# KiCad board atreyu-pcb2.kicad_pcb
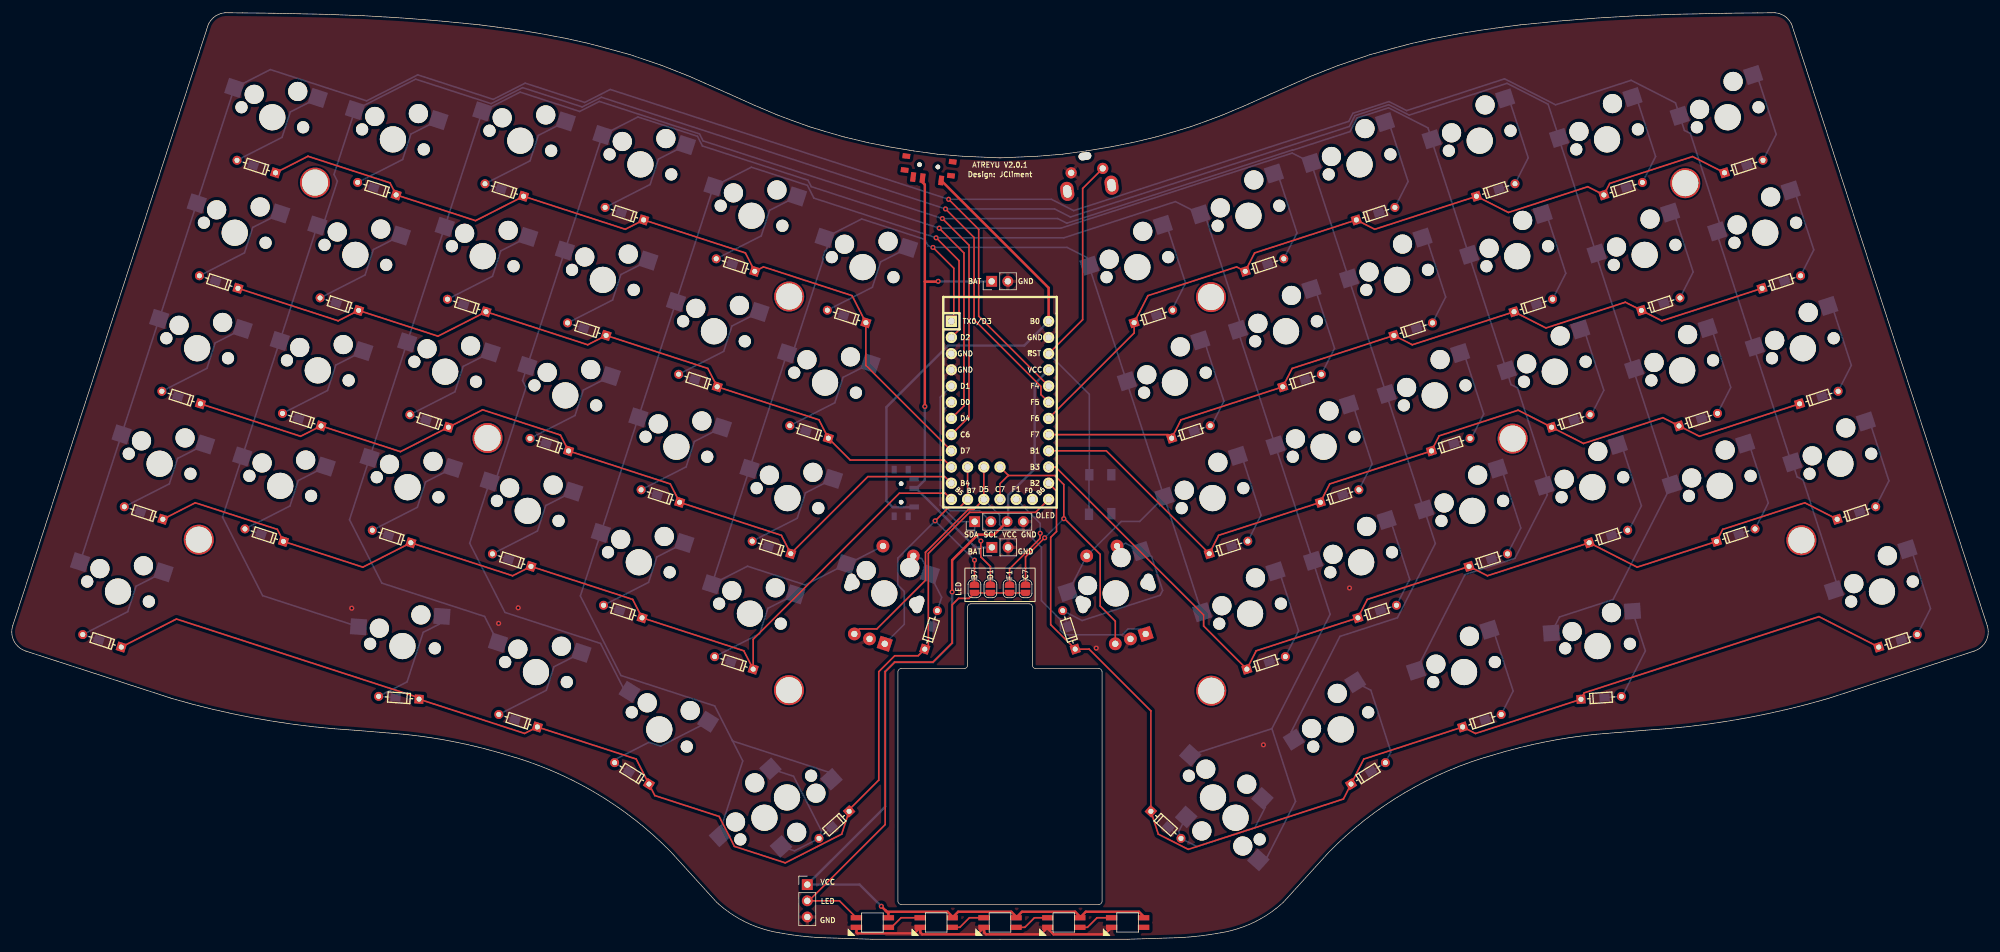
[diagram p0: board, top side]
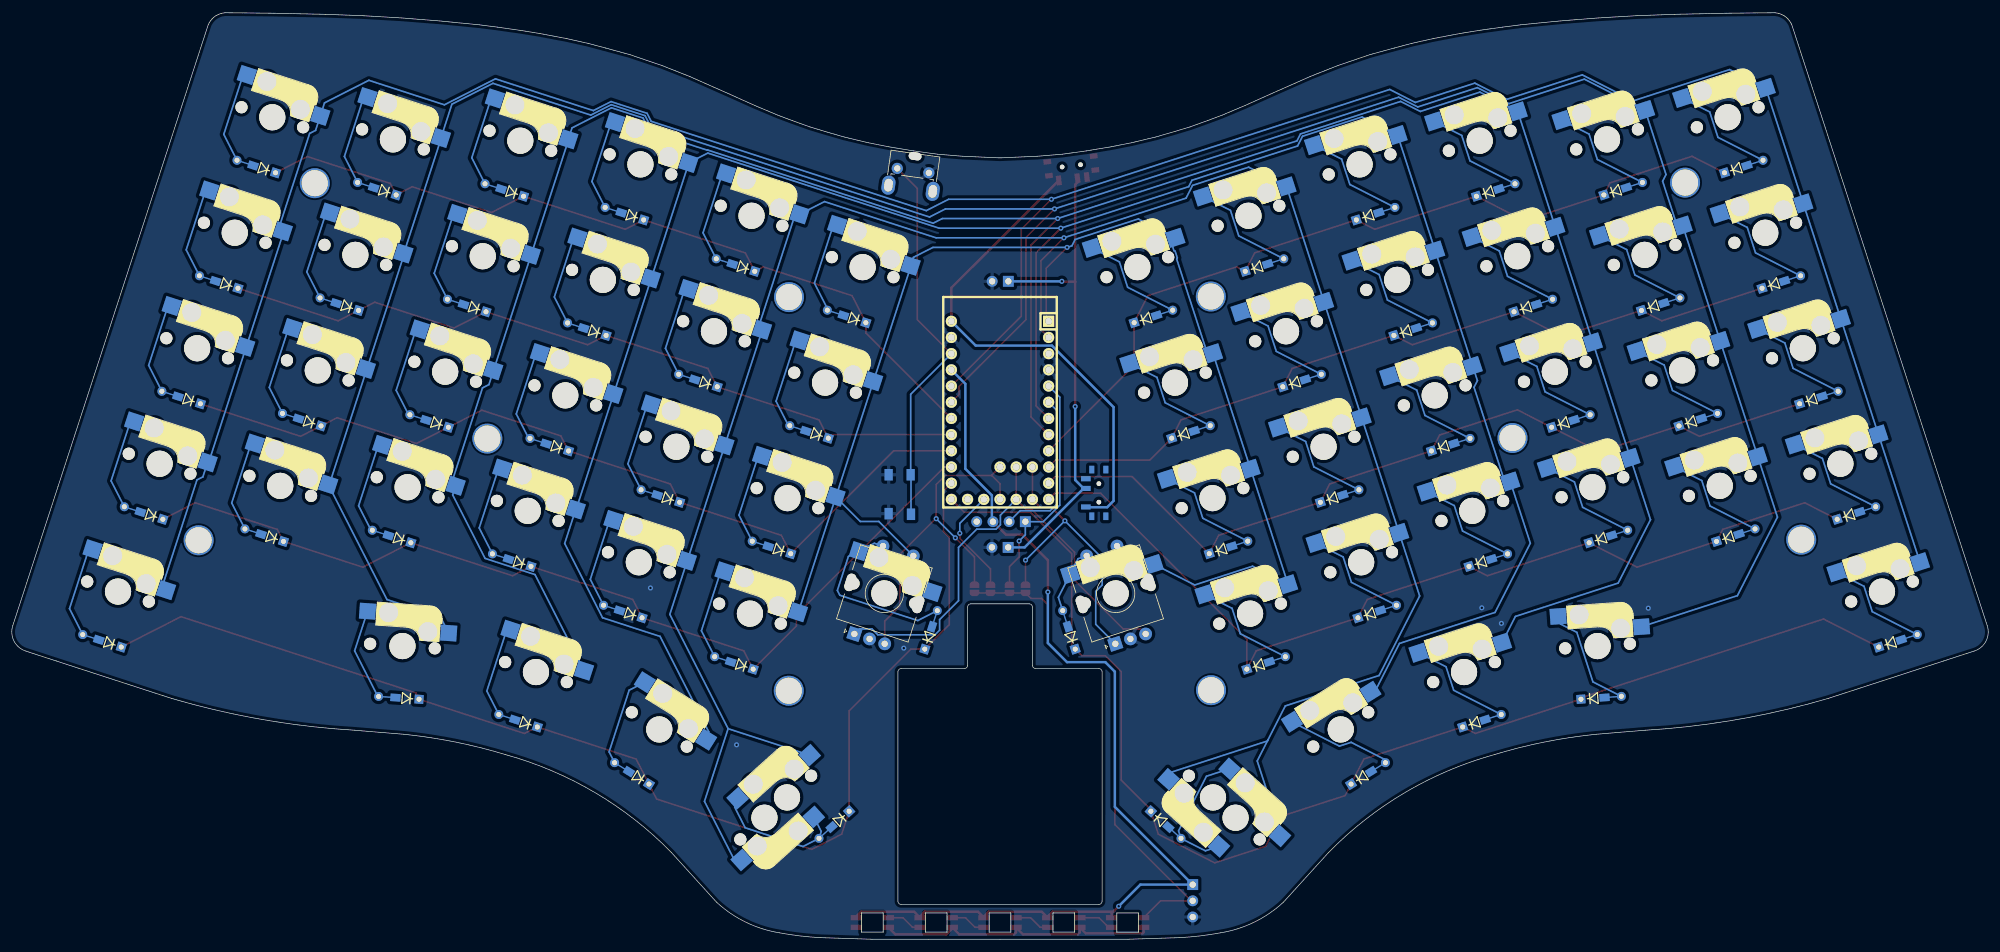
[diagram p1: board, bottom side, seen from below]

Outline 309.73 x 145.34 mm; copper layers: Top, Bottom. Coordinates in mm from the lower left corner of the outline.
Outline path: 0.16,49.19 7.24,70.99 30.79,143.46 30.94,143.76 31.14,144.07 31.4,144.37 31.65,144.63 32.01,144.88 32.41,145.08 32.82,145.24 33.43,145.34 36.12,145.32 41.08,145.26 49.2,145.09 55.04,144.88 61,144.53 67.08,144.05 73.29,143.45 76.07,143.09 79.74,142.57 82.77,142.08 86.93,141.29 90.34,140.53 93.11,139.8 96.88,138.77 101.9,137.06 104.03,136.22 106.16,135.38 108.66,134.27 112.41,132.61 116.42,130.81 120.04,129.28 122.3,128.43 125.06,127.44 127.45,126.72 130.47,125.84 134.25,124.94 137.4,124.32 141.32,123.67 145.11,123.15 149.03,122.83 154.87,122.57 160.71,122.83 164.62,123.15 168.41,123.67 172.33,124.32 175.48,124.94 179.26,125.84 182.28,126.72 184.67,127.44 187.43,128.43 189.69,129.28 193.32,130.81 197.32,132.61 201.07,134.27 203.57,135.38 207.83,137.06 212.85,138.77 216.62,139.8 219.39,140.53 222.8,141.29 226.96,142.08 229.99,142.57 233.66,143.09 236.44,143.45 242.65,144.05 248.73,144.53 254.69,144.88 260.53,145.09 268.65,145.26 273.61,145.32 276.3,145.34 276.91,145.24 277.32,145.08 277.73,144.88 278.08,144.63 278.33,144.37 278.59,144.07 278.79,143.76 278.94,143.46 302.49,70.99 309.57,49.19 arc(309.38,46.76) 307.5,45.2 302.78,43.66 284.66,37.78 arc(272.05,34.76) 259.19,33.02 256.02,32.79 248.27,32.15 arc(240.26,30.95) 232.4,28.98 arc(218.36,23.03) 206.36,13.61 199.3,5.83 arc(194.7,2.68) 189.39,1 arc(186.24,0.53) 183.06,0.25 174.93,0 166.04,0 154.87,0 134.8,0 126.67,0.25 arc(123.49,0.53) 120.34,1 arc(115.03,2.68) 110.43,5.83 103.37,13.61 arc(91.37,23.03) 77.33,28.98 arc(69.47,30.95) 61.46,32.15 53.71,32.79 50.54,33.02 arc(37.68,34.76) 25.07,37.78 6.95,43.66 2.23,45.2 arc(0.35,46.76) 0.16,49.19 ; 138.86,41.95 arc(139.01,42.31) 139.37,42.46 149.28,42.46 arc(149.64,42.61) 149.79,42.97 149.79,52.11 arc(149.93,52.47) 150.29,52.62 159.44,52.62 arc(159.8,52.47) 159.95,52.11 159.95,42.97 arc(160.09,42.61) 160.45,42.46 170.36,42.46 arc(170.72,42.31) 170.87,41.95 170.87,5.97 arc(170.72,5.61) 170.36,5.46 139.37,5.46 arc(139.01,5.61) 138.87,5.97 138.86,41.95
Stack: Top 0.035mm / dielectric 1.51mm FR4 er 4.5 / Bottom 0.035mm

## Placement (name value [footprint] x y rotation side)
D1  D_Small  [D3_hybrid_common_hole_connected_fix]  41.33 120.23 162 top
D2  D_Small  [D3_hybrid_common_hole_connected_fix]  60.24 116.76 162 top
D3  D_Small  [D3_hybrid_common_hole_connected_fix]  80.2 116.55 162 top
D4  D_Small  [D3_hybrid_common_hole_connected_fix]  99.02 112.84 162 top
D5  D_Small  [D3_hybrid_common_hole_connected_fix]  116.43 104.78 162 top
D6  D_Small  [D3_hybrid_common_hole_connected_fix]  133.85 96.72 162 top
D7  D_Small  [D3_hybrid_common_hole_connected_fix]  175.88 96.72 18 top
D8  D_Small  [D3_hybrid_common_hole_connected_fix]  193.3 104.78 18 top
D9  D_Small  [D3_hybrid_common_hole_connected_fix]  210.71 112.84 18 top
D10  D_Small  [D3_hybrid_common_hole_connected_fix]  229.53 116.55 18 top
D11  D_Small  [D3_hybrid_common_hole_connected_fix]  249.49 116.76 18 top
D12  D_Small  [D3_hybrid_common_hole_connected_fix]  268.4 120.23 18 top
D13  D_Small  [D3_hybrid_common_hole_connected_fix]  35.45 102.12 162 top
D14  D_Small  [D3_hybrid_common_hole_connected_fix]  54.35 98.65 162 top
D15  D_Small  [D3_hybrid_common_hole_connected_fix]  74.31 98.44 162 top
D16  D_Small  [D3_hybrid_common_hole_connected_fix]  93.14 94.72 162 top
D17  D_Small  [D3_hybrid_common_hole_connected_fix]  110.55 86.66 162 top
D18  D_Small  [D3_hybrid_common_hole_connected_fix]  127.96 78.6 162 top
D19  D_Small  [D3_hybrid_common_hole_connected_fix]  181.77 78.6 18 top
D20  D_Small  [D3_hybrid_common_hole_connected_fix]  199.18 86.66 18 top
D21  D_Small  [D3_hybrid_common_hole_connected_fix]  216.59 94.72 18 top
D22  D_Small  [D3_hybrid_common_hole_connected_fix]  235.42 98.44 18 top
D23  D_Small  [D3_hybrid_common_hole_connected_fix]  255.38 98.65 18 top
D24  D_Small  [D3_hybrid_common_hole_connected_fix]  274.28 102.12 18 top
D25  D_Small  [D3_hybrid_common_hole_connected_fix]  29.56 84 162 top
D26  D_Small  [D3_hybrid_common_hole_connected_fix]  48.46 80.53 162 top
D27  D_Small  [D3_hybrid_common_hole_connected_fix]  68.43 80.32 162 top
D28  D_Small  [D3_hybrid_common_hole_connected_fix]  87.25 76.61 162 top
D29  D_Small  [D3_hybrid_common_hole_connected_fix]  104.66 68.54 162 top
D30  D_Small  [D3_hybrid_common_hole_connected_fix]  122.07 60.48 162 top
D31  D_Small  [D3_hybrid_common_hole_connected_fix]  187.66 60.48 18 top
D32  D_Small  [D3_hybrid_common_hole_connected_fix]  205.07 68.54 18 top
D33  D_Small  [D3_hybrid_common_hole_connected_fix]  222.48 76.61 18 top
D34  D_Small  [D3_hybrid_common_hole_connected_fix]  241.3 80.32 18 top
D35  D_Small  [D3_hybrid_common_hole_connected_fix]  261.27 80.53 18 top
D36  D_Small  [D3_hybrid_common_hole_connected_fix]  280.17 84 18 top
D37  D_Small  [D3_hybrid_common_hole_connected_fix]  23.67 65.88 162 top
D38  D_Small  [D3_hybrid_common_hole_connected_fix]  42.58 62.41 162 top
D39  D_Small  [D3_hybrid_common_hole_connected_fix]  62.54 62.2 162 top
D40  D_Small  [D3_hybrid_common_hole_connected_fix]  81.36 58.49 162 top
D41  D_Small  [D3_hybrid_common_hole_connected_fix]  98.77 50.43 162 top
D42  D_Small  [D3_hybrid_common_hole_connected_fix]  116.19 42.37 162 top
D43  D_Small  [D3_hybrid_common_hole_connected_fix]  193.54 42.37 18 top
D44  D_Small  [D3_hybrid_common_hole_connected_fix]  210.96 50.43 18 top
D45  D_Small  [D3_hybrid_common_hole_connected_fix]  228.37 58.49 18 top
D46  D_Small  [D3_hybrid_common_hole_connected_fix]  247.19 62.2 18 top
D47  D_Small  [D3_hybrid_common_hole_connected_fix]  267.15 62.41 18 top
D48  D_Small  [D3_hybrid_common_hole_connected_fix]  286.06 65.88 18 top
D49  D_Small  [D3_hybrid_common_hole_connected_fix]  17.16 45.83 162 top
D50  D_Small  [D3_hybrid_common_hole_connected_fix]  63.82 37.66 176 top
D51  D_Small  [D3_hybrid_common_hole_connected_fix]  82.36 33.3 162 top
D52  D_Small  [D3_hybrid_common_hole_connected_fix]  99.86 24.34 148 top
D53  D_Small  [D3_hybrid_common_hole_connected_fix]  131.22 20.07 222 top
D54  D_Small  [D3_hybrid_common_hole_connected_fix]  143.08 45.51 72 top
D55  D_Small  [D3_hybrid_common_hole_connected_fix]  166.65 45.51 108 top
D56  D_Small  [D3_hybrid_common_hole_connected_fix]  178.51 20.07 318 top
D57  D_Small  [D3_hybrid_common_hole_connected_fix]  209.88 24.34 32 top
D58  D_Small  [D3_hybrid_common_hole_connected_fix]  227.37 33.3 18 top
D59  D_Small  [D3_hybrid_common_hole_connected_fix]  245.91 37.65 4 top
D60  D_Small  [D3_hybrid_common_hole_connected_fix]  292.57 45.83 18 top
D61  SK6812MINI  [YS-SK6812MINI-E]  134.87 2.62 0 top
D62  SK6812MINI  [YS-SK6812MINI-E]  144.87 2.62 0 top
D63  SK6812MINI  [YS-SK6812MINI-E]  154.87 2.62 0 top
D64  SK6812MINI  [YS-SK6812MINI-E]  164.87 2.62 0 top
D65  SK6812MINI  [YS-SK6812MINI-E]  174.87 2.62 0 top
J1  OLED  [PinHeader_1x04_P2.54mm_Vertical]  150.9 65.51 90 top
J2  Conn_01x02_Female  [PinHeader_1x02_P2.54mm_Vertical]  153.59 61.47 90 top
J2#2  Conn_01x02_Female  [PinHeader_1x02_P2.54mm_Vertical]  153.56 103.21 90 top
J3  Conn_01x03_Female  [PinHeader_1x03_P2.54mm_Vertical]  124.67 8.57 0 top
JP1  Jumper-Device  [SolderJumper-2_P1.3mm_Open_RoundedPad1.0x1.5mm]  150.87 54.97 270 top
JP2  Jumper-Device  [SolderJumper-2_P1.3mm_Open_RoundedPad1.0x1.5mm]  158.87 54.97 270 top
JP3  Jumper-Device  [SolderJumper-2_P1.3mm_Open_RoundedPad1.0x1.5mm]  153.37 54.97 270 top
JP4  Jumper-Device  [SolderJumper-2_P1.3mm_Open_RoundedPad1.0x1.5mm]  156.37 54.97 270 top
MX1  MX-NoLED  [CherryMX_Hotswap]  40.83 128.95 342 top
MX2  MX-NoLED  [CherryMX_Hotswap]  59.73 125.47 342 top
MX3  MX-NoLED  [CherryMX_Hotswap]  79.69 125.26 342 top
MX4  MX-NoLED  [CherryMX_Hotswap]  98.52 121.55 342 top
MX5  MX-NoLED  [CherryMX_Hotswap]  115.93 113.49 342 top
MX6  MX-NoLED  [CherryMX_Hotswap]  133.34 105.43 342 top
MX7  MX-NoLED  [CherryMX_Hotswap]  176.39 105.43 18 top
MX8  MX-NoLED  [CherryMX_Hotswap]  193.8 113.49 18 top
MX9  MX-NoLED  [CherryMX_Hotswap]  211.21 121.55 18 top
MX10  MX-NoLED  [CherryMX_Hotswap]  230.04 125.26 18 top
MX11  MX-NoLED  [CherryMX_Hotswap]  250 125.47 18 top
MX12  MX-NoLED  [CherryMX_Hotswap]  268.9 128.94 18 top
MX13  MX-NoLED  [CherryMX_Hotswap]  34.94 110.83 342 top
MX14  MX-NoLED  [CherryMX_Hotswap]  53.84 107.36 342 top
MX15  MX-NoLED  [CherryMX_Hotswap]  73.81 107.15 342 top
MX16  MX-NoLED  [CherryMX_Hotswap]  92.63 103.43 342 top
MX17  MX-NoLED  [CherryMX_Hotswap]  110.04 95.37 342 top
MX18  MX-NoLED  [CherryMX_Hotswap]  127.45 87.31 342 top
MX19  MX-NoLED  [CherryMX_Hotswap]  182.28 87.31 18 top
MX20  MX-NoLED  [CherryMX_Hotswap]  199.69 95.37 18 top
MX21  MX-NoLED  [CherryMX_Hotswap]  217.1 103.43 18 top
MX22  MX-NoLED  [CherryMX_Hotswap]  235.92 107.15 18 top
MX23  MX-NoLED  [CherryMX_Hotswap]  255.89 107.36 18 top
MX24  MX-NoLED  [CherryMX_Hotswap]  274.79 110.83 18 top
MX25  MX-NoLED  [CherryMX_Hotswap]  29.06 92.71 342 top
MX26  MX-NoLED  [CherryMX_Hotswap]  47.96 89.24 342 top
MX27  MX-NoLED  [CherryMX_Hotswap]  67.92 89.03 342 top
MX28  MX-NoLED  [CherryMX_Hotswap]  86.74 85.32 342 top
MX29  MX-NoLED  [CherryMX_Hotswap]  104.15 77.26 342 top
MX30  MX-NoLED  [CherryMX_Hotswap]  121.56 69.2 342 top
MX31  MX-NoLED  [CherryMX_Hotswap]  188.17 69.2 18 top
MX32  MX-NoLED  [CherryMX_Hotswap]  205.58 77.26 18 top
MX33  MX-NoLED  [CherryMX_Hotswap]  222.99 85.32 18 top
MX34  MX-NoLED  [CherryMX_Hotswap]  241.81 89.03 18 top
MX35  MX-NoLED  [CherryMX_Hotswap]  261.77 89.24 18 top
MX36  MX-NoLED  [CherryMX_Hotswap]  280.68 92.71 18 top
MX37  MX-NoLED  [CherryMX_Hotswap]  23.17 74.59 342 top
MX38  MX-NoLED  [CherryMX_Hotswap]  42.07 71.12 342 top
MX39  MX-NoLED  [CherryMX_Hotswap]  62.03 70.91 342 top
MX40  MX-NoLED  [CherryMX_Hotswap]  80.86 67.2 342 top
MX41  MX-NoLED  [CherryMX_Hotswap]  98.27 59.14 342 top
MX42  MX-NoLED  [CherryMX_Hotswap]  115.68 51.08 342 top
MX43  MX-NoLED  [CherryMX_Hotswap]  194.05 51.08 18 top
MX44  MX-NoLED  [CherryMX_Hotswap]  211.46 59.14 18 top
MX45  MX-NoLED  [CherryMX_Hotswap]  228.87 67.2 18 top
MX46  MX-NoLED  [CherryMX_Hotswap]  247.7 70.91 18 top
MX47  MX-NoLED  [CherryMX_Hotswap]  267.66 71.12 18 top
MX48  MX-NoLED  [CherryMX_Hotswap]  286.56 74.59 18 top
MX49  MX-NoLED  [CherryMX_Hotswap]  16.65 54.54 342 top
MX50  MX-NoLED  [CherryMX_Hotswap]  61.22 45.99 356 top
MX51  MX-NoLED  [CherryMX_Hotswap]  82.15 41.92 342 top
MX52  MX-NoLED  [CherryMX_Hotswap]  101.47 32.91 328 top
MX53  MX-NoLED  [CherryMX_Hotswap]  117.95 19.06 42 top
MX54  MX-NoLED  [CherryMX_Hotswap]  136.74 54.25 342 top
MX55  MX-NoLED  [CherryMX_Hotswap]  172.99 54.25 18 top
MX56  MX-NoLED  [CherryMX_Hotswap]  188.24 22.25 318 top
MX57  MX-NoLED  [CherryMX_Hotswap]  208.26 32.91 32 top
MX58  MX-NoLED  [CherryMX_Hotswap]  227.58 41.92 18 top
MX59  MX-NoLED  [CherryMX_Hotswap]  248.51 45.99 4 top
MX60  MX-NoLED  [CherryMX_Hotswap]  293.08 54.54 18 top
MX61  MX-NoLED  [CherryMX_Hotswap]  121.49 22.25 222 top
MX62  MX-NoLED  [CherryMX_Hotswap]  191.78 19.06 138 top
NOREF  -  [unnamed]  262.25 118.6 18 top
NOREF#2  -  [unnamed]  280.45 62.59 18 top
NOREF#3  -  [unnamed]  187.93 100.73 18 top
NOREF#4  -  [unnamed]  235.2 78.54 18 top
NOREF#5  -  [unnamed]  187.97 38.98 18 top
NOREF#6  -  [unnamed]  121.83 100.82 162 bottom
NOREF#7  -  [unnamed]  121.79 39.08 162 bottom
NOREF#8  -  [unnamed]  47.51 118.69 162 bottom
NOREF#9  -  [unnamed]  74.55 78.63 162 bottom
NOREF#10  -  [unnamed]  29.31 62.68 162 bottom
SW1  SW_Push  [SW_Tactile_SPST_Angled_MJTP1117_fixed]  170.97 120.92 188 bottom
SW2  RotaryEncoder_Switch  [RotaryEncoder_EC11]  136.74 54.25 72 bottom
SW3  RotaryEncoder_Switch  [RotaryEncoder_EC11]  172.99 54.25 108 bottom
SW4  SW_SPDT  [Switch_MSK-12C01-07]  143.69 121.33 173 top
SW5  SW_SPDT  [Switch_MSK-12C01-07#2]  139.37 70.02 270 top
SW6  SW_Push  [PushSwitch]  170.61 69.76 270 bottom
U1  -  [Elite-C]  154.87 82.97 270 top

## Footprints (pads in the part's own frame, mm; a bottom-side part is the same pattern mirrored in y, then rotated)
CherryMX_Hotswap
  round 1.9 hole 1.9 unplated: (-5.08,0) (5.08,0)
  round 3 hole 3 unplated: (-3.81,2.54) (2.54,5.08)
  round 4.1 hole 4.1 unplated: (0,0)
  rect 2.55x2.5 smd far side: 1(-7.085,2.54) 2(5.842,5.08)
D3_hybrid_common_hole_connected_fix
  rect 1.4x1.4 hole 0.8: 1(0,0)
  rect 1.6x1.2 smd far side: 2(3.7,0)
  rect 1.6x0.2 smd far side: 2(5.15,0)
  round 1.4 hole 0.8: 2(6.35,0)
Elite-C
  rect 1.753x1.753 hole 1.092: 1(-13.97,-7.62)
  round 1.753 hole 1.092: 2(-11.43,-7.62) 3(-8.89,-7.62) 4(-6.35,-7.62) 5(-3.81,-7.62) 6(-1.27,-7.62) 7(1.27,-7.62) 8(3.81,-7.62) 9(6.35,-7.62) 10(8.89,-7.62) 11(11.43,-7.62) 12(13.97,-7.62) 13(13.97,7.62) 14(11.43,7.62) 15(8.89,7.62) 16(6.35,7.62) 17(3.81,7.62) 18(1.27,7.62) 19(-1.27,7.62) 20(-3.81,7.62) 21(-6.35,7.62) 22(-8.89,7.62) 23(-11.43,7.62) 24(-13.97,7.62) 25(13.97,-5.08) 26(13.97,-2.54) 27(13.97,0) 28(13.97,2.54) 29(13.97,5.08) 31(8.89,-5.08) 32(8.89,-2.54) 33(8.89,0)
PinHeader_1x02_P2.54mm_Vertical
  rect 1.7x1.7 hole 1: 1(0,0)
  oval 1.7x1.7 hole 1: 2(0,-2.54)
PinHeader_1x03_P2.54mm_Vertical
  rect 1.7x1.7 hole 1: 1(0,0)
  oval 1.7x1.7 hole 1: 2(0,-2.54) 3(0,-5.08)
PinHeader_1x04_P2.54mm_Vertical
  rect 1.7x1.7 hole 1: 1(0,0)
  oval 1.7x1.7 hole 1: 2(0,-2.54) 3(0,-5.08) 4(0,-7.62)
PushSwitch
  rect 1.8x1.3 smd: 1(-3.1,1.75) 1(3.1,1.8) 2(-3.1,-1.7) 2(3,-1.7)
RotaryEncoder_EC11
  oval 2.8x1.5 hole 2.8x1.5 unplated: (0,-5.6) (0,5.6)
  rect 2x2 hole 1: A(-7.5,2.5)
  round 2 hole 1: B(-7.5,-2.5) C(-7.5,0) S1(7,-2.5) S2(7,2.5)
SolderJumper-2_P1.3mm_Open_RoundedPad1.0x1.5mm
  custom 1x1.5 smd: 1(-0.65,0) 2(0.65,0)
SW_Tactile_SPST_Angled_MJTP1117_fixed
  oval 2.1x3 hole 1.3x2: (-1,-2.794) (6.01,-2.794)
  oval 2x1.2 hole 2x1.2 unplated: (2.5,2.286)
  round 1.75 hole 0.99: 1(0,0) 2(5,0)
Switch_MSK-12C01-07
  rect 1.2x0.8 smd: (-3.66,1.11) (-3.66,-1.09) (3.66,1.11) (3.66,-1.09)
  round 0.72 hole 0.72 unplated: (-1.45,0) (1.45,0)
  rect 0.8x1.5 smd: 1(-2.22,2.04) 2(0.72,2.04) 3(2.2,2.04)
Switch_MSK-12C01-07#2
  round 0.72 hole 0.72 unplated: (-1.45,0) (1.45,0)
  rect 0.8x1.5 smd far side: 1(2.2,2.04) 2(-0.7,2.04) 3(-2.22,2.04)
  rect 1.2x0.8 smd far side: 4(-3.66,1.11) 4(-3.66,-1.09) 4(3.66,1.11) 4(3.66,-1.09)
unnamed
  round 4.7 hole 4.1: (0,0)
YS-SK6812MINI-E
  rect 1.8x0.82 smd: 1(2.5,0.75) 2(2.5,-0.75) 3(-2.5,-0.75) 4(-2.5,0.75)

## Nets
GND: D61.3 D62.3 D63.3 D64.3 D65.3 J1.4 J2.2 J2#2.2 J3.3 SW1.2 SW2.C SW3.C SW6.2 U1.3 U1.4 U1.23
VCC: D61.1 D62.1 D63.1 D64.1 D65.1 J1.3 J3.1 U1.21
BAT: J2.1 J2#2.1 SW4.2 SW5.2
COL0: MX1.1 MX12.1 MX13.1 MX24.1 MX25.1 MX36.1 MX37.1 MX48.1 MX49.1 MX60.1 U1.20
COL1: MX2.1 MX11.1 MX14.1 MX23.1 MX26.1 MX35.1 MX38.1 MX47.1 MX50.1 MX59.1 U1.19
COL2: MX3.1 MX10.1 MX15.1 MX22.1 MX27.1 MX34.1 MX39.1 MX46.1 MX51.1 MX58.1 U1.8
COL3: MX4.1 MX9.1 MX16.1 MX21.1 MX28.1 MX33.1 MX40.1 MX45.1 MX52.1 MX57.1 U1.7
COL4: MX5.1 MX8.1 MX17.1 MX20.1 MX29.1 MX32.1 MX41.1 MX44.1 MX53.1 MX56.1 MX61.1 MX62.1 U1.2
COL5: MX6.1 MX7.1 MX18.1 MX19.1 MX30.1 MX31.1 MX42.1 MX43.1 MX54.1 MX55.1 SW2.S1 SW3.S1 U1.1
ENCA: JP1.1 SW2.A U1.25 U1.31
ENCB: SW2.B SW3.A U1.26 U1.32
ENCC: JP2.1 SW3.B U1.27 U1.33
F1: JP4.1 U1.28
LED: D61.4 J3.2 JP1.2 JP2.2 JP3.2 JP4.2
RAW: SW4.1 SW4.3 SW5.1 U1.24
ROW0: D1.1 D2.1 D3.1 D4.1 D5.1 D6.1 U1.9
ROW1: D13.1 D14.1 D15.1 D16.1 D17.1 D18.1 U1.10
ROW2: D25.1 D26.1 D27.1 D28.1 D29.1 D30.1 U1.11
ROW3: D37.1 D38.1 D39.1 D40.1 D41.1 D42.1 U1.12
ROW4: D49.1 D50.1 D51.1 D52.1 D53.1 D54.1 U1.13
ROW5: D55.1 D56.1 D57.1 D58.1 D59.1 D60.1 U1.14
ROW6: D43.1 D44.1 D45.1 D46.1 D47.1 D48.1 U1.15
ROW7: D31.1 D32.1 D33.1 D34.1 D35.1 D36.1 U1.16
ROW8: D19.1 D20.1 D21.1 D22.1 D23.1 D24.1 U1.17
ROW9: D7.1 D8.1 D9.1 D10.1 D11.1 D12.1 U1.18
SCL: J1.2 U1.6
SDA: J1.1 JP3.1 U1.5
SW54B: D54.2 MX54.2 SW2.S2
SW55B: D55.2 MX55.2 SW3.S2
Net-(D1-Pad2): D1.2 MX1.2
Net-(D2-Pad2): D2.2 MX2.2
Net-(D3-Pad2): D3.2 MX3.2
Net-(D4-Pad2): D4.2 MX4.2
Net-(D5-Pad2): D5.2 MX5.2
Net-(D6-Pad2): D6.2 MX6.2
Net-(D7-Pad2): D7.2 MX7.2
Net-(D8-Pad2): D8.2 MX8.2
Net-(D9-Pad2): D9.2 MX9.2
Net-(D10-Pad2): D10.2 MX10.2
Net-(D11-Pad2): D11.2 MX11.2
Net-(D12-Pad2): D12.2 MX12.2
Net-(D13-Pad2): D13.2 MX13.2
Net-(D14-Pad2): D14.2 MX14.2
Net-(D15-Pad2): D15.2 MX15.2
Net-(D16-Pad2): D16.2 MX16.2
Net-(D17-Pad2): D17.2 MX17.2
Net-(D18-Pad2): D18.2 MX18.2
Net-(D19-Pad2): D19.2 MX19.2
Net-(D20-Pad2): D20.2 MX20.2
Net-(D21-Pad2): D21.2 MX21.2
Net-(D22-Pad2): D22.2 MX22.2
Net-(D23-Pad2): D23.2 MX23.2
Net-(D24-Pad2): D24.2 MX24.2
Net-(D25-Pad2): D25.2 MX25.2
Net-(D26-Pad2): D26.2 MX26.2
Net-(D27-Pad2): D27.2 MX27.2
Net-(D28-Pad2): D28.2 MX28.2
Net-(D29-Pad2): D29.2 MX29.2
Net-(D30-Pad2): D30.2 MX30.2
Net-(D31-Pad2): D31.2 MX31.2
Net-(D32-Pad2): D32.2 MX32.2
Net-(D33-Pad2): D33.2 MX33.2
Net-(D34-Pad2): D34.2 MX34.2
Net-(D35-Pad2): D35.2 MX35.2
Net-(D36-Pad2): D36.2 MX36.2
Net-(D37-Pad2): D37.2 MX37.2
Net-(D38-Pad2): D38.2 MX38.2
Net-(D39-Pad2): D39.2 MX39.2
Net-(D40-Pad2): D40.2 MX40.2
Net-(D41-Pad2): D41.2 MX41.2
Net-(D42-Pad2): D42.2 MX42.2
Net-(D43-Pad2): D43.2 MX43.2
Net-(D44-Pad2): D44.2 MX44.2
Net-(D45-Pad2): D45.2 MX45.2
Net-(D46-Pad2): D46.2 MX46.2
Net-(D47-Pad2): D47.2 MX47.2
Net-(D48-Pad2): D48.2 MX48.2
Net-(D49-Pad2): D49.2 MX49.2
Net-(D50-Pad2): D50.2 MX50.2
Net-(D51-Pad2): D51.2 MX51.2
Net-(D52-Pad2): D52.2 MX52.2
Net-(D53-Pad2): D53.2 MX53.2 MX61.2
Net-(D56-Pad2): D56.2 MX56.2 MX62.2
Net-(D57-Pad2): D57.2 MX57.2
Net-(D58-Pad2): D58.2 MX58.2
Net-(D59-Pad2): D59.2 MX59.2
Net-(D60-Pad2): D60.2 MX60.2
Net-(D62-Pad4): D61.2 D62.4
Net-(D63-Pad4): D62.2 D63.4
Net-(D64-Pad4): D63.2 D64.4
Net-(D65-Pad4): D64.2 D65.4
Net-(SW1-Pad1): SW1.1 SW6.1 U1.22

Pads without a net: D65 2; SW5 3 4; U1 29

## Via types
v1: diameter 0.8, hole 0.4, Top to Bottom, 22 vias

## Routing (per net, layer and track width the routed paths; a pad name or vN(x,y) marks a point on that pad's centre or on a via; arc(x,y) is an arc through that point)
GND: length 45
  Top w0.381: D65.3 171.27,0.77 163.25,0.77 162.37,1.65 D64.3 161.27,0.77 152.67,0.77 152.37,1.08 D63.3 151.27,0.77 142.67,0.77 142.37,1.08 D62.3 141.42,0.93 132.51,0.93 132.37,1.08 D61.3
  vias: v1(53.27,51.93) v1(76.29,49.55) v1(79.36,51.99) v1(169.95,45.66) v1(196.15,30.5) v1(209.64,55.11)
VCC: length 160.4
  Top w0.381: 136.97,4.47 137.37,4.07 D61.1 ; 136.97,4.47 137.12,4.31 146.64,4.31 147.37,3.59 D62.1 148.31,4.31 156.64,4.31 157.37,3.59 D63.1 158.31,4.31 166.64,4.31 167.37,3.59 D64.1 168.31,4.31 176.64,4.31 177.37,3.59 D65.1 ; 136.97,4.47 v1(136.27,5.17) ; v1(147.37,54.47) 147.37,59.47 151.37,63.47 153.94,63.47 J1.3
  Bottom w0.381: U1.21 160.3,87.14 160.3,73.81 156.14,69.64 156.14,65.67 J1.3 ; v1(147.37,54.47) 147.37,46.47 144.37,43.47 138.37,43.47 136.87,41.97 136.87,20.77 J3.1 132.87,8.57 v1(136.27,5.17)
BAT: length 76.2
  Top w0.381: v1(143.09,83.57) 143.09,103.15 ; 143.09,103.15 143.09,118.37 142.73,118.73 SW4.2 ; 143.09,103.15 145.12,103.15 v1(145.18,103.21)
  Bottom w0.381: v1(145.18,103.21) J2#2.1 ; J2.1 151.01,61.47 141.76,70.72 SW5.2 141.76,70.72 143.09,72.04 v1(143.09,83.57)
COL0: length 436.4
  Top w0.25: v1(146.81,116.08) 151.53,111.36 151.53,97.74 U1.20
  Bottom w0.25: MX60.1 286.03,55.69 280.71,72.06 279.78,72.53 MX48.1 278.83,74.92 273.05,92.73 MX36.1 272.95,93.04 267.16,110.85 267.74,111.98 263.05,126.41 262.12,126.88 260.72,131.2 253.76,134.74 241.93,130.9 233.93,134.97 218.59,129.99 215.82,131.4 210.17,129.57 209.53,128.31 166.41,114.3 162.92,116.08 v1(146.81,116.08) 93.78,133.3 89.78,131.27 80.45,134.3 75.45,131.75 63.61,135.6 55.61,131.52 40.52,136.42 MX1.1 MX13.1 MX25.1 MX37.1 17.21,79.2 MX49.1
COL1: length 428.2
  Top w0.25: v1(146.32,114.57) 150.8,110.08 150.8,97.19 161.28,86.71 161.28,85.44 U1.19
  Bottom w0.25: MX50.1 39.31,53.9 33.03,66.23 MX38.1 MX26.1 MX14.1 48.94,112.5 51.03,118.91 50.49,119.96 MX2.1 63.28,134.92 75.12,131.08 80.06,133.59 89.39,130.56 92.39,132.09 v1(146.32,114.57) 163.41,114.57 165.9,113.3 209.62,127.5 210.48,129.2 215.78,130.92 218.98,129.28 234.32,134.27 240.76,130.99 MX11.1 242.44,125.63 248.33,107.51 248.26,107.38 254.05,89.57 MX35.1 254.15,89.26 259.93,71.45 MX47.1 250.93,53.29 242.55,50.56 MX59.1
COL2: length 392.5
  Top w0.25: v1(145.83,113.06) 150.01,108.88 150.01,81.92 U1.8
  Bottom w0.25: 240.07,70.93 240.65,72.06 235.96,86.49 234.96,87 222.48,125.42 MX10.1 221.93,127.28 215.74,130.43 210.8,128.83 209.72,126.7 200.74,123.78 200.69,123.81 165.33,112.32 163.9,113.06 v1(145.83,113.06) 108.33,125.24 107.77,126.33 92.08,131.43 88.99,129.85 79.66,132.89 MX3.1 MX15.1 52.93,65.81 57.99,55.87 74.1,50.64 MX51.1 ; MX46.1 240.64,69.71 235.56,59.75 227.74,57.21 MX58.1
COL3: length 358.7
  Top w0.25: U1.7 149.21,83.67 149.21,107.67 v1(145.34,111.55)
  Bottom w0.25: MX52.1 95.99,39.09 92.27,46.4 77.29,51.27 71.76,62.12 MX40.1 75.95,72.34 80.58,86.58 80.05,87.63 MX4.1 98.13,128.99 107.46,125.96 108.23,124.44 124.78,119.06 125.29,118.06 v1(145.34,111.55) 164.39,111.55 200.65,123.33 MX9.1 203.65,121.71 221.28,67.46 MX45.1 223.09,62.09 217.15,50.44 208.14,47.51 200.51,32.54 MX57.1
COL4: length 358.3
  Top w0.25: v1(144.85,110.04) 148.45,106.44 148.45,95.6 U1.2
  Bottom w0.25: MX61.1 127.87,26.25 112.96,31.1 112.89,31.24 ; 112.89,31.24 114.56,27.97 110.83,16.51 MX53.1 ; 112.89,31.24 110.16,36.6 95.46,41.37 89.1,53.85 MX5.1 115.9,121.11 124.69,118.26 125.71,116.26 v1(144.85,110.04) 164.88,110.04 182.36,115.71 187.1,113.3 192.58,96.42 192.13,95.53 203.87,59.4 MX44.1 203.9,59.29 206.61,50.97 197.47,33.03 ; 197.47,33.03 201.18,21.63 196.72,12.88 MX62.1 ; 197.47,33.03 MX56.1
COL5: length 224.9
  Top w0.25: U1.1 147.63,97.32 147.63,105.26 v1(144.36,108.53)
  Bottom w0.25: MX43.1 186.46,51.34 174.72,87.47 MX19.1 174.68,87.58 168.83,105.58 MX7.1 168.45,106.96 165.37,108.53 v1(144.36,108.53) 143.6,108.77 143.09,109.77 133.19,112.99 MX6.1 127.92,108.98 127.61,108.03 127.42,107.93 127.08,106.89 127.18,106.69 122.55,92.45 MX18.1 MX30.1 MX42.1 115.29,58.52 124.35,55.57 MX54.1 130.9,58.82 SW2.S1 ; MX31.1 176.76,65.54 173.85,65.54 SW3.S1 165.59,54.51 MX55.1
ENCA: length 47.1
  Top w0.25: v1(144.7,65.64) 146.86,67.8 148.58,67.8 149.47,68.68 ; U1.25 U1.31 ; v1(150.87,59.47) JP1.1
  Bottom w0.25: v1(150.87,59.47) v1(144.7,65.64) 138.85,59.79 138.85,55.57 139.87,54.55 139.87,49.41 SW2.A
ENCB: length 78.1
  Top w0.25: SW2.B 132.84,48.68 135.56,48.68 143.19,56.31 143.19,60.7 149.9,67.42 150.74,67.42 U1.26 152.33,73.44 152.64,73.76
  Bottom w0.25: SW3.A 176.89,48.68 174.93,48.68 174.01,47.76 165.05,47.76 164.33,48.48 164.33,50.14 161.37,53.11 161.37,61.47 158.5,64.33 155.49,64.33 154.8,65.02 154.8,66.52 U1.26
ENCC: length 56.7
  Top w0.25: JP2.1 158.87,59.97 v1(161.87,62.97) ; SW3.B 172.93,49.9 170.57,52.27 170.57,60.37 164.97,65.97 v1(164.87,65.97) 164.87,71.33 163.45,72.74 156.2,72.74 156.18,72.77 ; 156.18,72.77 U1.33 ; 156.18,72.77 154.87,71.46 U1.27
  Bottom w0.25: v1(161.87,62.97) v1(164.87,65.97)
F1: length 16.9
  Top w0.25: v1(161.17,63.69) 161.17,63.3 161.14,63.27 161.14,62.88 156.37,58.11 JP4.1
  Bottom w0.25: v1(161.17,63.69) 161.17,65.24 U1.28
LED: length 80.4
  Top w0.25: JP2.2 JP4.2 JP3.2 JP1.2 150.02,53.47 148.37,53.47 147.37,52.47 147.37,46.47 144.37,43.47 138.37,43.47 136.87,41.97 136.87,17.99 124.87,5.99 ; D61.4 129.71,6.03 J3.2
RAW: length 79.5
  Top w0.381: U1.24 162.49,102.19 SW4.1
  Bottom w0.381: U1.24 158.67,93.13 146.72,93.13 137.07,83.47 137.07,68.77 138.07,67.77 141.36,67.77 SW5.1
ROW0: length 129.4
  Top w0.25: U1.9 133.85,90.02 D6.1 131.69,100.96 117.8,105.47 D5.1 114.97,107.66 D4.1 96.14,111.37 D3.1 72.68,112.72 D2.1 59.28,118.64 46.42,122.82 D1.1
ROW1: length 122.8
  Top w0.25: D13.1 51.15,97.02 D14.1 66.79,94.6 D15.1 90.26,93.26 D16.1 109.08,89.54 D17.1 126.49,81.48 D18.1 131.39,75.17 146.16,75.17 U1.10
ROW2: length 133.9
  Top w0.25: D25.1 45.26,78.9 D26.1 60.9,76.49 D27.1 73.79,83.05 85.99,79.09 D28.1 103.19,71.43 D29.1 120.6,63.36 D30.1 134.16,72.57 146.22,72.57 U1.11
ROW3: length 148.5
  Top w0.25: D37.1 28.76,68.47 41.62,64.29 D38.1 55.02,58.37 D39.1 78.48,57.02 D40.1 97.31,53.31 D41.1 114.72,45.25 D42.1 116.19,47.06 139.1,69.97 146.28,69.97 U1.12
ROW4: length 200.2
  Top w0.25: D49.1 25.8,50.23 63.69,37.92 D50.1 80.37,32.28 D51.1 97.85,28.27 D52.1 100.77,22.54 110.85,19.26 113.24,14.57 121.22,11.98 130.06,16.49 D53.1 131.22,20.33 135.87,24.97 135.87,41.97 138.37,44.47 142.04,44.47 D54.1 143.64,46.07 143.64,60.52 150.09,66.97 160.45,66.97 U1.13
ROW5: length 188
  Top w0.25: U1.14 163.72,70.31 163.72,63.95 162.81,63.04 162.81,49.35 D55.1 168.82,45.51 178.51,35.83 D56.1 179.68,16.49 184.36,14.1 208.69,22 D57.1 211.88,28.27 D58.1 229.38,32.28 D59.1 246.42,38.66 283.2,50.61 D60.1
ROW6: length 148.1
  Top w0.25: D48.1 280.97,68.47 268.11,64.29 D47.1 254.71,58.37 D46.1 231.25,57.02 D45.1 212.42,53.31 D44.1 195.01,45.25 D43.1 186.78,49.14 186.78,50.88 163.58,74.08 U1.15
ROW7: length 135
  Top w0.25: U1.16 171.52,76.62 D31.1 189.13,63.36 D32.1 206.54,71.43 D33.1 223.68,78.97 236.06,82.99 D34.1 246.3,77.77 258.74,81.81 D35.1 264.47,78.9 D36.1
ROW8: length 121.1
  Top w0.25: U1.17 181.21,79.16 D19.1 183.24,81.48 D20.1 200.65,89.54 D21.1 219.47,93.26 D22.1 240.42,95.89 252.86,99.93 D23.1 258.58,97.01 D24.1
ROW9: length 124.3
  Top w0.25: D12.1 263.39,122.78 250.41,118.56 D11.1 246.97,118.05 234.53,114.01 D10.1 213.59,111.37 D9.1 194.76,107.66 D8.1 191.94,105.47 178.05,100.96 D7.1 175.88,95.1 U1.18
SCL: length 25.1
  Bottom w0.25: U1.6 145.94,82.94 145.94,68.28 147,67.22 151.72,67.22 J1.2
SDA: length 36.8
  Top w0.25: JP3.1 153.37,58.47 151.87,59.97 v1(151.87,62.47)
  Bottom w0.25: v1(151.87,62.47) 150.9,63.44 J1.1 148.08,65.51 145.49,68.1 145.49,85.03 U1.5
SW54B: length 10.4
  Bottom w0.25: D54.2 145.72,53.64 MX54.2 142.63,59.7 SW2.S2
SW55B: length 28.7
  Bottom w0.25: D55.2 167.74,49.99 179.97,53.97 180.35,54.72 178.62,60.05 MX55.2 174.56,62.12 SW3.S2
Net-(D1-Pad2): length 16.9
  Bottom w0.25: D1.2 42.35,125.79 43.65,129.78 MX1.2
Net-(D2-Pad2): length 16.9
  Bottom w0.25: MX2.2 62.55,126.31 61.26,122.32 D2.2
Net-(D3-Pad2): length 16.9
  Bottom w0.25: D3.2 81.22,122.11 82.51,126.1 MX3.2
Net-(D4-Pad2): length 16.9
  Bottom w0.25: D4.2 100.04,118.4 101.34,122.38 MX4.2
Net-(D5-Pad2): length 17
  Bottom w0.25: MX5.2 123.03,116.52 118.76,114.35 117.45,110.34 D5.2
Net-(D6-Pad2): length 16.9
  Bottom w0.25: D6.2 134.86,102.28 136.16,106.26 MX6.2
Net-(D7-Pad2): length 14.3
  Bottom w0.25: MX7.2 181.09,111.71 183.94,102.92 182,99.11
Net-(D8-Pad2): length 14.4
  Bottom w0.25: MX8.2 198.5,119.77 201.41,110.81 199.53,107.12
Net-(D9-Pad2): length 14.4
  Bottom w0.25: 216.94,115.18 218.82,118.87 215.91,127.83 MX9.2
Net-(D10-Pad2): length 14.4
  Bottom w0.25: MX10.2 234.73,131.54 237.64,122.58 235.76,118.89
Net-(D11-Pad2): length 14.4
  Bottom w0.25: MX11.2 254.69,131.75 257.61,122.79 255.73,119.1
Net-(D12-Pad2): length 14.4
  Bottom w0.25: MX12.2 273.6,135.22 276.51,126.26 274.63,122.57
Net-(D13-Pad2): length 16.9
  Bottom w0.25: MX13.2 37.76,111.66 36.47,107.68 D13.2
Net-(D14-Pad2): length 16.9
  Bottom w0.25: D14.2 55.37,104.2 56.66,108.19 MX14.2
Net-(D15-Pad2): length 16.9
  Bottom w0.25: D15.2 75.33,103.99 76.63,107.98 MX15.2
Net-(D16-Pad2): length 16.9
  Bottom w0.25: MX16.2 95.45,104.27 94.16,100.28 D16.2
Net-(D17-Pad2): length 16.9
  Bottom w0.25: D17.2 111.57,92.22 112.86,96.21 MX17.2
Net-(D18-Pad2): length 16.9
  Bottom w0.25: D18.2 128.98,84.16 130.27,88.14 MX18.2
Net-(D19-Pad2): length 14.6
  Bottom w0.25: MX19.2 186.97,93.59 189.96,84.4 188.16,80.86 188,80.94
Net-(D20-Pad2): length 14.4
  Bottom w0.25: MX20.2 204.38,101.65 207.29,92.69 205.41,89
Net-(D21-Pad2): length 14.4
  Bottom w0.25: MX21.2 221.8,109.71 224.71,100.75 222.83,97.06
Net-(D22-Pad2): length 14.4
  Bottom w0.25: MX22.2 240.62,113.42 243.53,104.47 241.65,100.78
Net-(D23-Pad2): length 14.4
  Bottom w0.25: 261.61,100.99 263.49,104.68 260.58,113.63 MX23.2
Net-(D24-Pad2): length 14.4
  Bottom w0.25: 280.51,104.46 282.39,108.15 279.48,117.1 MX24.2
Net-(D25-Pad2): length 16.9
  Bottom w0.25: MX25.2 31.88,93.54 30.58,89.56 D25.2
Net-(D26-Pad2): length 16.9
  Bottom w0.25: MX26.2 50.78,90.07 49.48,86.09 D26.2
Net-(D27-Pad2): length 16.9
  Bottom w0.25: MX27.2 70.74,89.86 69.44,85.88 D27.2
Net-(D28-Pad2): length 16.9
  Bottom w0.25: D28.2 88.27,82.16 89.56,86.15 MX28.2
Net-(D29-Pad2): length 16.9
  Bottom w0.25: MX29.2 106.97,78.09 105.68,74.1 D29.2
Net-(D30-Pad2): length 16.9
  Bottom w0.25: MX30.2 124.38,70.03 123.09,66.04 D30.2
Net-(D31-Pad2): length 14.4
  Bottom w0.25: MX31.2 192.86,75.47 195.77,66.52 193.89,62.82
Net-(D32-Pad2): length 14.4
  Bottom w0.25: MX32.2 210.27,83.53 213.18,74.57 211.3,70.89
Net-(D33-Pad2): length 14.6
  Bottom w0.25: 228.71,78.95 228.87,78.87 230.67,82.4 227.68,91.59 MX33.2
Net-(D34-Pad2): length 14.6
  Bottom w0.25: 247.54,82.66 247.69,82.58 249.49,86.11 246.51,95.3 MX34.2
Net-(D35-Pad2): length 14.4
  Bottom w0.25: 267.5,82.87 269.38,86.56 266.47,95.51 MX35.2
Net-(D36-Pad2): length 14.4
  Bottom w0.25: MX36.2 285.37,98.99 288.28,90.03 286.4,86.34
Net-(D37-Pad2): length 16.9
  Bottom w0.25: MX37.2 25.99,75.42 24.69,71.44 D37.2
Net-(D38-Pad2): length 16.9
  Bottom w0.25: D38.2 43.6,67.97 44.89,71.95 MX38.2
Net-(D39-Pad2): length 16.9
  Bottom w0.25: MX39.2 64.85,71.74 63.56,67.76 D39.2
Net-(D40-Pad2): length 16.9
  Bottom w0.25: D40.2 82.38,64.05 83.68,68.03 MX40.2
Net-(D41-Pad2): length 16.9
  Bottom w0.25: D41.2 99.79,55.99 101.09,59.97 MX41.2
Net-(D42-Pad2): length 16.9
  Bottom w0.25: MX42.2 118.5,51.91 117.2,47.92 D42.2
Net-(D43-Pad2): length 14.4
  Bottom w0.25: MX43.2 198.75,57.35 201.66,48.4 199.78,44.71
Net-(D44-Pad2): length 14.4
  Bottom w0.25: MX44.2 216.16,65.41 219.07,56.46 217.19,52.77
Net-(D45-Pad2): length 14.4
  Bottom w0.25: 234.6,60.83 236.48,64.52 233.57,73.47 MX45.2
Net-(D46-Pad2): length 14.6
  Bottom w0.25: MX46.2 252.39,77.19 255.38,67.99 253.58,64.46 253.42,64.54
Net-(D47-Pad2): length 14.4
  Bottom w0.25: MX47.2 272.36,77.4 275.27,68.44 273.39,64.75
Net-(D48-Pad2): length 14.4
  Bottom w0.25: 292.29,68.22 294.17,71.91 291.26,80.87 MX48.2
Net-(D49-Pad2): length 16.9
  Bottom w0.25: D49.2 18.18,51.39 19.47,55.37 MX49.2
Net-(D50-Pad2): length 17.3
  Bottom w0.25: MX50.2 67.01,49.44 64.48,48.15 61.95,40.37 D50.2
Net-(D51-Pad2): length 17.1
  Bottom w0.25: D51.2 83.77,39.06 84.97,42.75 MX51.2
Net-(D52-Pad2): length 16.7
  Bottom w0.25: MX52.2 109.1,34.08 101.68,30.3 99.84,30.89 94.65,28.25 D52.2
Net-(D53-Pad2): length 21.2
  Bottom w0.25: MX61.2 122.67,13.87 D53.2 126.88,17 122.52,25.57 MX53.2
Net-(D56-Pad2): length 21.1
  Bottom w0.25: MX56.2 196.44,20.71 194.8,17.49 185.74,14.55 D56.2 182.88,16.91 MX62.2
Net-(D57-Pad2): length 14.8
  Bottom w0.25: MX57.2 212.98,39.07 216.12,29.39 D57.2
Net-(D58-Pad2): length 14.6
  Bottom w0.25: MX58.2 232.28,48.19 235.28,38.94 D58.2
Net-(D59-Pad2): length 14.2
  Bottom w0.25: 252.52,38.41 256,45.24 MX59.2
Net-(D60-Pad2): length 14.4
  Bottom w0.25: MX60.2 297.77,60.82 300.68,51.86 298.8,48.17
Net-(D62-Pad4): length 5.6
  Top w0.25: D61.2 137.86,1.87 139.36,3.37 D62.4
Net-(D63-Pad4): length 5.6
  Top w0.25: D62.2 148.57,1.87 150.07,3.37 D63.4
Net-(D64-Pad4): length 5.6
  Top w0.25: D64.4 160.27,3.37 158.77,1.87 D63.2
Net-(D65-Pad4): length 5.6
  Top w0.25: D64.2 168.57,1.87 170.07,3.37 D65.4
Net-(SW1-Pad1): length 60.4
  Top w0.25: SW1.1 167.82,117.77 167.82,97.2 U1.22
  Bottom w0.25: SW6.1 168.81,72.81 SW6.1 168.86,85.48 U1.22

## Copper pours and planes (outline as drawn; the poured copper is in the pictures)
GND on Top, Bottom: 318.38,39.23 249.33,18.59 196.94,-4.43 117.57,-4.43 73.12,21.77 -7.05,36.85 28.67,149.56 74.7,146.39 107.25,137.66 127.88,128.92 154.08,124.96 188.21,131.31 209.64,140.04 236.63,145.59 279.49,147.97

## Text on the board
User.Comments: 60 | -14 | 14
F.Silkscreen: OLED | VCC | LED | GND | SDA | BAT | SCL | ATREYU V2.0.1 | Design: JCliment | B7 | D1 | F1 | C7
